# KiCad board mse-68-vhdci-panel.kicad_pcb (continued)
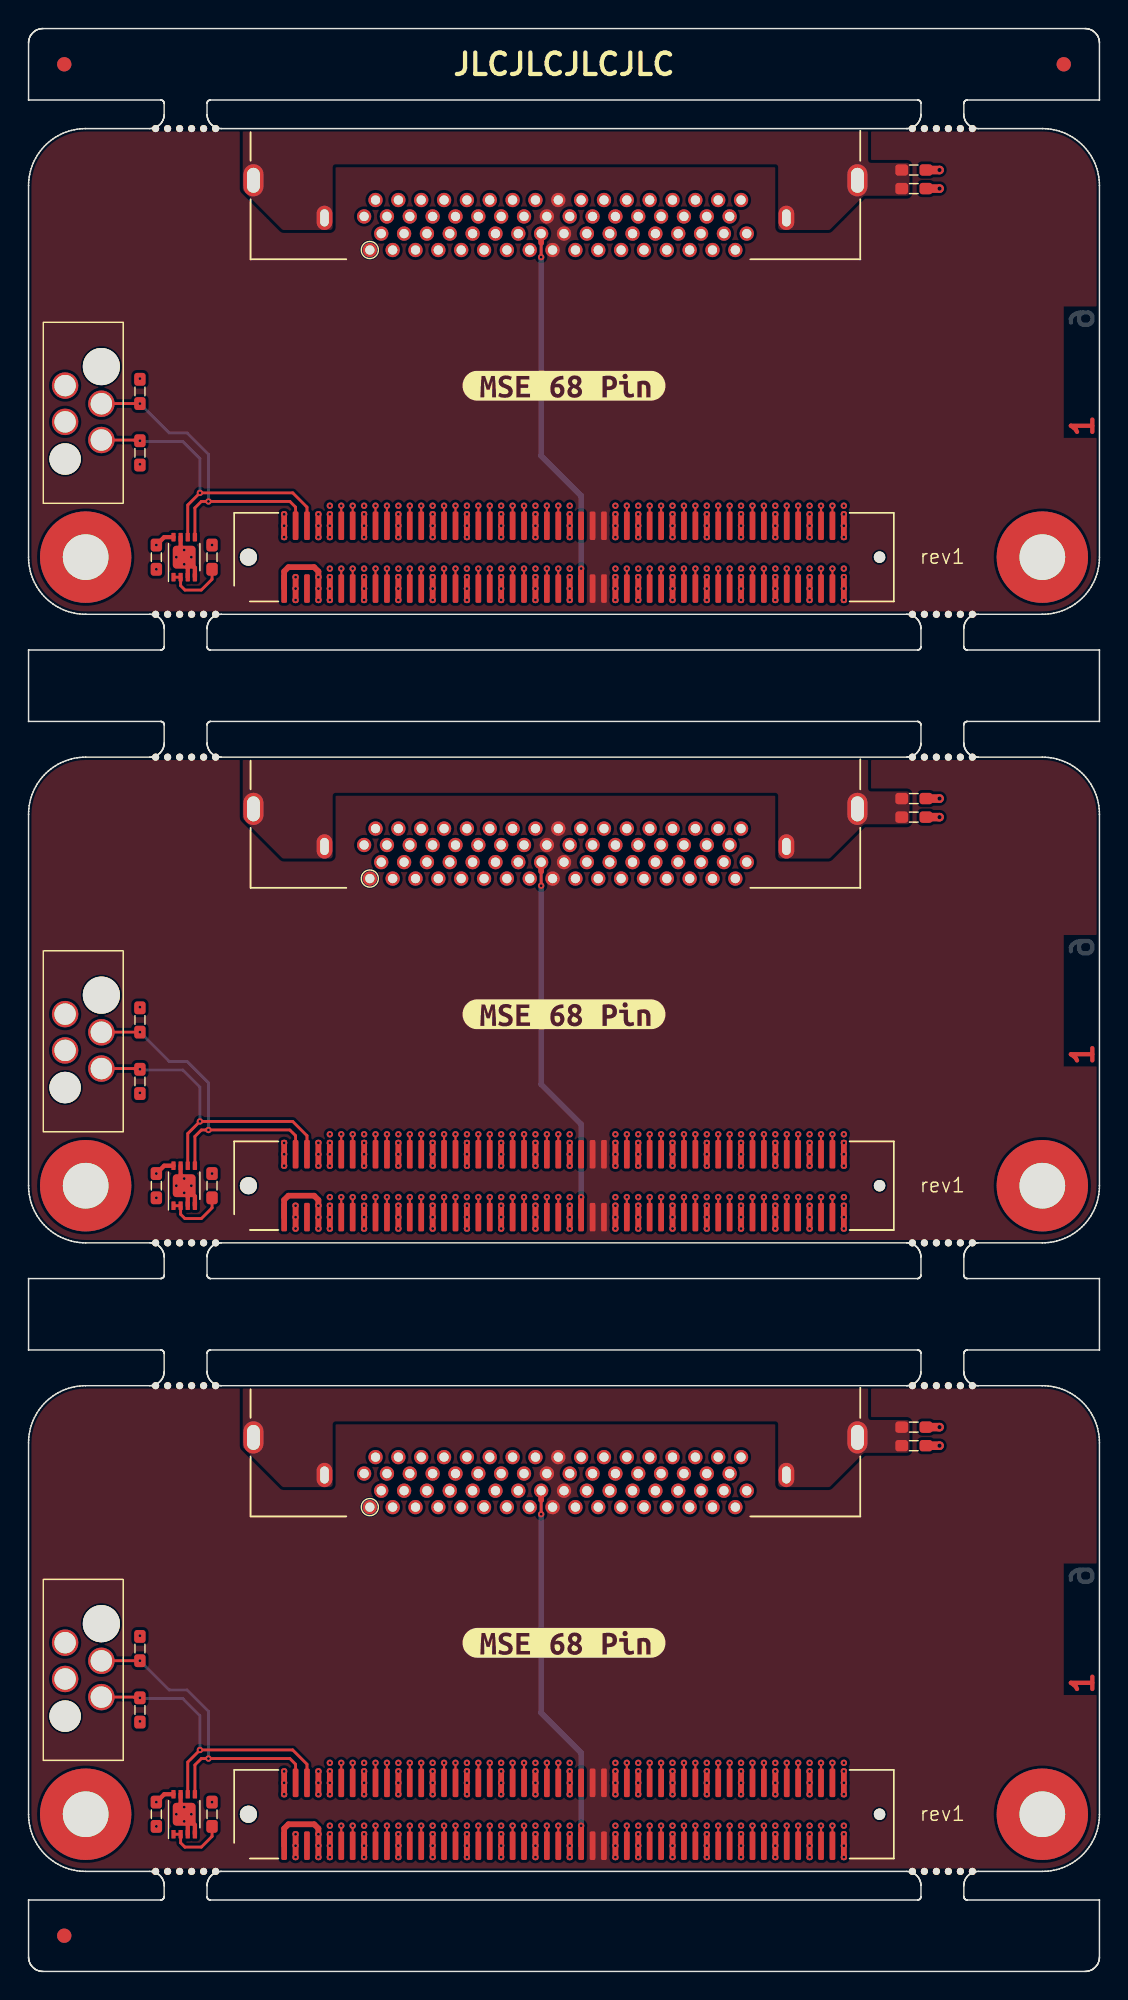
[diagram p0: board, top side]
## Routing (per net, layer and track width the routed paths; a pad name or vN(x,y) marks a point on that pad's centre or on a via; arc(x,y) is an arc through that point)
Board_0-+3V3: length 1.4
  Top w0.3: v1(8.95,99.85) 9.5,100.4 U1.8
  vias: v1(7.8,111.5) v1(7.8,105.5) v1(12.85,99.85) v1(18.7,97.6) v1(18.7,96.8) v1(18.7,96)
Board_0-/CON.ACK+: length 29.6
  Top w0.151: J1#2.67 v1(44.3,98.2)
  In3.Cu w0.151: J4#2.24 42.3,120.3 42.5,120.1 42.5,117.42 arc(42.56,117.27) 42.71,117.21 arc(42.86,117.15) 42.92,117 42.92,116.82 arc(42.86,116.67) 42.71,116.61 arc(42.56,116.55) 42.5,116.4 42.5,116.22 arc(42.56,116.07) 42.71,116.01 arc(42.86,115.95) 42.92,115.8 42.92,115.62 arc(42.86,115.47) 42.71,115.41 arc(42.56,115.35) 42.5,115.2 42.5,115.02 arc(42.56,114.87) 42.71,114.81 arc(42.86,114.75) 42.92,114.6 42.92,114.42 arc(42.86,114.27) 42.71,114.21 arc(42.56,114.15) 42.5,114 42.5,113.82 arc(42.56,113.67) 42.71,113.61 arc(42.86,113.55) 42.92,113.4 42.92,113.22 arc(42.86,113.07) 42.71,113.01 arc(42.56,112.95) 42.5,112.8 42.5,112.62 arc(42.56,112.47) 42.71,112.41 arc(42.86,112.35) 42.92,112.2 42.92,112.02 arc(42.86,111.87) 42.71,111.81 arc(42.56,111.75) 42.5,111.6 42.5,111.42 arc(42.56,111.27) 42.71,111.21 arc(42.86,111.15) 42.92,111 42.92,110.82 arc(42.86,110.67) 42.71,110.61 arc(42.56,110.55) 42.5,110.4 42.5,110.22 arc(42.56,110.07) 42.71,110.01 arc(42.86,109.95) 42.92,109.8 42.92,109.62 arc(42.86,109.47) 42.71,109.41 arc(42.56,109.35) 42.5,109.2 42.5,109.08 arc(42.57,108.91) 42.74,108.84 42.74,108.84 arc(42.91,108.77) 42.98,108.6 42.98,108.48 arc(42.91,108.31) 42.74,108.24 42.74,108.24 arc(42.57,108.17) 42.5,108 42.5,104.4 43.9,103 43.9,98.6 v1(44.3,98.2)
Board_0-/CON.ACK-: length 27
  Top w0.151: J1#2.68 v1(44.3,102.6)
  In2.Cu w0.151: v1(44.3,102.6) 42.5,104.4 42.5,108 arc(42.57,108.17) 42.74,108.24 42.75,108.24 arc(42.92,108.31) 42.99,108.48 42.99,108.6 arc(42.92,108.77) 42.75,108.84 42.74,108.84 arc(42.57,108.91) 42.5,109.08 42.5,109.2 arc(42.56,109.35) 42.71,109.42 arc(42.87,109.48) 42.93,109.63 42.93,109.8 arc(42.87,109.95) 42.71,110.02 arc(42.56,110.08) 42.5,110.23 42.5,110.4 arc(42.56,110.55) 42.71,110.62 arc(42.87,110.68) 42.93,110.83 42.93,111 arc(42.87,111.15) 42.71,111.22 arc(42.56,111.28) 42.5,111.43 42.5,111.6 arc(42.56,111.75) 42.71,111.82 arc(42.87,111.88) 42.93,112.03 42.93,112.2 arc(42.87,112.35) 42.71,112.42 arc(42.56,112.48) 42.5,112.63 42.5,112.8 arc(42.56,112.95) 42.71,113.02 arc(42.87,113.08) 42.93,113.23 42.93,113.4 arc(42.87,113.55) 42.71,113.62 arc(42.56,113.68) 42.5,113.83 42.5,114 arc(42.56,114.15) 42.71,114.22 arc(42.87,114.28) 42.93,114.43 42.93,114.6 arc(42.87,114.75) 42.71,114.82 arc(42.56,114.88) 42.5,115.03 42.5,120.7 41.7,121.5 41.7,122 41.9,122.2 J4#2.58
Board_0-/CON.ATN+: length 29.6
  Top w0.151: J1#2.61 v1(41.9,98.2)
  In3.Cu w0.151: v1(41.9,98.2) 41.6,98.5 41.6,102.9 40.5,104 40.5,108 arc(40.43,108.17) 40.26,108.24 40.25,108.24 arc(40.08,108.31) 40.01,108.48 40.01,108.6 arc(40.08,108.77) 40.25,108.84 40.26,108.84 arc(40.43,108.91) 40.5,109.08 40.5,109.2 arc(40.43,109.37) 40.26,109.44 40.25,109.44 arc(40.08,109.51) 40.01,109.68 40.01,109.8 arc(40.08,109.97) 40.25,110.04 40.26,110.04 arc(40.43,110.11) 40.5,110.28 40.5,110.4 arc(40.43,110.57) 40.26,110.64 40.25,110.64 arc(40.08,110.71) 40.01,110.88 40.01,111 arc(40.08,111.17) 40.25,111.24 40.26,111.24 arc(40.43,111.31) 40.5,111.48 40.5,111.6 arc(40.43,111.77) 40.26,111.84 40.25,111.84 arc(40.08,111.91) 40.01,112.08 40.01,112.2 arc(40.08,112.37) 40.25,112.44 40.26,112.44 arc(40.43,112.51) 40.5,112.68 40.5,112.8 arc(40.43,112.97) 40.26,113.04 40.25,113.04 arc(40.08,113.11) 40.01,113.28 40.01,113.4 arc(40.08,113.57) 40.25,113.64 40.26,113.64 arc(40.43,113.71) 40.5,113.88 40.5,114 arc(40.43,114.17) 40.26,114.24 40.25,114.24 arc(40.08,114.31) 40.01,114.48 40.01,114.6 arc(40.08,114.77) 40.25,114.84 40.26,114.84 arc(40.43,114.91) 40.5,115.08 40.5,115.2 arc(40.43,115.37) 40.26,115.44 40.25,115.44 arc(40.08,115.51) 40.01,115.68 40.01,115.8 arc(40.08,115.97) 40.25,116.04 40.26,116.04 arc(40.43,116.11) 40.5,116.28 40.5,116.4 arc(40.43,116.57) 40.26,116.64 40.25,116.64 arc(40.08,116.71) 40.01,116.88 40.01,117 arc(40.08,117.17) 40.25,117.24 40.26,117.24 arc(40.43,117.31) 40.5,117.48 40.5,117.6 arc(40.43,117.77) 40.26,117.84 40.25,117.84 arc(40.08,117.91) 40.01,118.08 40.01,118.2 arc(40.08,118.37) 40.25,118.44 40.26,118.44 arc(40.43,118.51) 40.5,118.68 40.5,119.9 J4#2.21
Board_0-/CON.ATN-: length 27
  Top w0.151: J1#2.62 v1(41.9,102.6)
  In2.Cu w0.151: J4#2.55 39.5,122.2 39.7,122 39.7,121.5 40.5,120.7 40.5,117.48 arc(40.43,117.31) 40.26,117.24 arc(40.1,117.17) 40.03,117 40.03,116.88 arc(40.1,116.71) 40.26,116.64 arc(40.43,116.57) 40.5,116.4 40.5,116.28 arc(40.43,116.11) 40.26,116.04 arc(40.1,115.97) 40.03,115.8 40.03,115.68 arc(40.1,115.51) 40.26,115.44 arc(40.43,115.37) 40.5,115.2 40.5,115.08 arc(40.43,114.91) 40.26,114.84 arc(40.1,114.77) 40.03,114.6 40.03,114.48 arc(40.1,114.31) 40.26,114.24 arc(40.43,114.17) 40.5,114 40.5,113.88 arc(40.43,113.71) 40.26,113.64 arc(40.1,113.57) 40.03,113.4 40.03,113.28 arc(40.1,113.11) 40.26,113.04 arc(40.43,112.97) 40.5,112.8 40.5,112.68 arc(40.43,112.51) 40.26,112.44 arc(40.1,112.37) 40.03,112.2 40.03,112.08 arc(40.1,111.91) 40.26,111.84 arc(40.43,111.77) 40.5,111.6 40.5,111.48 arc(40.43,111.31) 40.26,111.24 arc(40.1,111.17) 40.03,111 40.03,110.88 arc(40.1,110.71) 40.26,110.64 arc(40.43,110.57) 40.5,110.4 40.5,110.28 arc(40.43,110.11) 40.26,110.04 arc(40.1,109.97) 40.03,109.8 40.03,109.68 arc(40.1,109.51) 40.26,109.44 arc(40.43,109.37) 40.5,109.2 40.5,109.08 arc(40.43,108.91) 40.26,108.84 arc(40.1,108.77) 40.03,108.6 40.03,108.48 arc(40.1,108.31) 40.26,108.24 arc(40.43,108.17) 40.5,108 40.5,104 v1(41.9,102.6)
Board_0-/CON.BSY+: length 29.6
  Top w0.151: J1#2.65 v1(43.5,98.2)
  In3.Cu w0.151: v1(43.5,98.2) 43.2,98.5 43.2,102.9 42.1,104 42.1,108 arc(42.03,108.17) 41.86,108.24 41.85,108.24 arc(41.68,108.31) 41.61,108.48 41.61,108.6 arc(41.68,108.77) 41.85,108.84 41.86,108.84 arc(42.03,108.91) 42.1,109.08 42.1,109.2 arc(42.03,109.37) 41.86,109.44 41.85,109.44 arc(41.68,109.51) 41.61,109.68 41.61,109.8 arc(41.68,109.97) 41.85,110.04 41.86,110.04 arc(42.03,110.11) 42.1,110.28 42.1,110.4 arc(42.03,110.57) 41.86,110.64 41.85,110.64 arc(41.68,110.71) 41.61,110.88 41.61,111 arc(41.68,111.17) 41.85,111.24 41.86,111.24 arc(42.03,111.31) 42.1,111.48 42.1,111.6 arc(42.03,111.77) 41.86,111.84 41.85,111.84 arc(41.68,111.91) 41.61,112.08 41.61,112.2 arc(41.68,112.37) 41.85,112.44 41.86,112.44 arc(42.03,112.51) 42.1,112.68 42.1,112.8 arc(42.03,112.97) 41.86,113.04 41.85,113.04 arc(41.68,113.11) 41.61,113.28 41.61,113.4 arc(41.68,113.57) 41.85,113.64 41.86,113.64 arc(42.03,113.71) 42.1,113.88 42.1,114 arc(42.03,114.17) 41.86,114.24 41.85,114.24 arc(41.68,114.31) 41.61,114.48 41.61,114.6 arc(41.68,114.77) 41.85,114.84 41.86,114.84 arc(42.03,114.91) 42.1,115.08 42.1,115.2 arc(42.03,115.37) 41.86,115.44 41.85,115.44 arc(41.68,115.51) 41.61,115.68 41.61,115.8 arc(41.68,115.97) 41.85,116.04 41.86,116.04 arc(42.03,116.11) 42.1,116.28 42.1,116.4 arc(42.03,116.57) 41.86,116.64 41.85,116.64 arc(41.68,116.71) 41.61,116.88 41.61,117 arc(41.68,117.17) 41.85,117.24 41.86,117.24 arc(42.03,117.31) 42.1,117.48 42.1,117.6 arc(42.03,117.77) 41.86,117.84 41.85,117.84 arc(41.68,117.91) 41.61,118.08 41.61,118.2 arc(41.68,118.37) 41.85,118.44 41.86,118.44 arc(42.03,118.51) 42.1,118.68 42.1,119.9 J4#2.23
Board_0-/CON.BSY-: length 27
  Top w0.151: J1#2.66 v1(43.5,102.6)
  In2.Cu w0.151: v1(43.5,102.6) 42.1,104 42.1,108 arc(42.03,108.17) 41.86,108.24 arc(41.7,108.31) 41.63,108.48 41.63,108.6 arc(41.7,108.77) 41.86,108.84 arc(42.03,108.91) 42.1,109.08 42.1,109.2 arc(42.03,109.37) 41.86,109.44 arc(41.7,109.51) 41.63,109.68 41.63,109.8 arc(41.7,109.97) 41.86,110.04 arc(42.03,110.11) 42.1,110.28 42.1,110.4 arc(42.03,110.57) 41.86,110.64 arc(41.7,110.71) 41.63,110.88 41.63,111 arc(41.7,111.17) 41.86,111.24 arc(42.03,111.31) 42.1,111.48 42.1,111.6 arc(42.03,111.77) 41.86,111.84 arc(41.7,111.91) 41.63,112.08 41.63,112.2 arc(41.7,112.37) 41.86,112.44 arc(42.03,112.51) 42.1,112.68 42.1,112.8 arc(42.03,112.97) 41.86,113.04 arc(41.7,113.11) 41.63,113.28 41.63,113.4 arc(41.7,113.57) 41.86,113.64 arc(42.03,113.71) 42.1,113.88 42.1,114 arc(42.03,114.17) 41.86,114.24 arc(41.7,114.31) 41.63,114.48 41.63,114.6 arc(41.7,114.77) 41.86,114.84 arc(42.03,114.91) 42.1,115.08 42.1,115.2 arc(42.03,115.37) 41.86,115.44 arc(41.7,115.51) 41.63,115.68 41.63,115.8 arc(41.7,115.97) 41.86,116.04 arc(42.03,116.11) 42.1,116.28 42.1,116.4 arc(42.03,116.57) 41.86,116.64 arc(41.7,116.71) 41.63,116.88 41.63,117 arc(41.7,117.17) 41.86,117.24 arc(42.03,117.31) 42.1,117.48 42.1,120.68 41.3,121.48 41.3,122 41.1,122.2 J4#2.57
Board_0-/CON.C/D+: length 29.6
  Top w0.151: J1#2.79 v1(49.1,98.2)
  In3.Cu w0.151: J4#2.28 45.5,120.3 45.7,120.1 45.7,118.46 arc(45.77,118.3) 45.93,118.23 arc(46.09,118.16) 46.16,118 46.16,117.86 arc(46.09,117.7) 45.93,117.63 arc(45.77,117.56) 45.7,117.4 45.7,117.14 arc(45.75,117.02) 45.87,116.97 arc(45.99,116.92) 46.04,116.8 46.04,116.54 arc(45.99,116.42) 45.87,116.37 arc(45.75,116.32) 45.7,116.2 45.7,115.94 arc(45.75,115.82) 45.87,115.77 arc(45.99,115.72) 46.04,115.6 46.04,115.34 arc(45.99,115.22) 45.87,115.17 arc(45.75,115.12) 45.7,115 45.7,114.74 arc(45.75,114.62) 45.87,114.57 arc(45.99,114.52) 46.04,114.4 46.04,114.14 arc(45.99,114.02) 45.87,113.97 arc(45.75,113.92) 45.7,113.8 45.7,113.54 arc(45.75,113.42) 45.87,113.37 arc(45.99,113.32) 46.04,113.2 46.04,112.94 arc(45.99,112.82) 45.87,112.77 arc(45.75,112.72) 45.7,112.6 45.7,112.34 arc(45.75,112.22) 45.87,112.17 arc(45.99,112.12) 46.04,112 46.04,111.74 arc(45.99,111.62) 45.87,111.57 arc(45.75,111.52) 45.7,111.4 45.7,111.14 arc(45.75,111.02) 45.87,110.97 arc(45.99,110.92) 46.04,110.8 46.04,110.54 arc(45.99,110.42) 45.87,110.37 arc(45.75,110.32) 45.7,110.2 45.7,109.94 arc(45.75,109.82) 45.87,109.77 arc(45.99,109.72) 46.04,109.6 46.04,109.34 arc(45.99,109.22) 45.87,109.17 arc(45.75,109.12) 45.7,109 45.7,106 48.7,103 48.7,98.6 v1(49.1,98.2)
Board_0-/CON.C/D-: length 27
  Top w0.151: J1#2.80 v1(49.1,102.6)
  In2.Cu w0.151: J4#2.62 45.1,122.2 44.9,122 44.9,121.5 45.7,120.7 45.7,113.68 arc(45.77,113.51) 45.94,113.44 45.96,113.44 arc(46.13,113.37) 46.2,113.2 46.2,113.08 arc(46.13,112.91) 45.96,112.84 45.94,112.84 arc(45.77,112.77) 45.7,112.6 45.7,112.48 arc(45.77,112.31) 45.94,112.24 45.96,112.24 arc(46.13,112.17) 46.2,112 46.2,111.88 arc(46.13,111.71) 45.96,111.64 45.94,111.64 arc(45.77,111.57) 45.7,111.4 45.7,111.28 arc(45.77,111.11) 45.94,111.04 45.96,111.04 arc(46.13,110.97) 46.2,110.8 46.2,110.68 arc(46.13,110.51) 45.96,110.44 45.94,110.44 arc(45.77,110.37) 45.7,110.2 45.7,110.08 arc(45.77,109.91) 45.94,109.84 45.96,109.84 arc(46.13,109.77) 46.2,109.6 46.2,109.48 arc(46.13,109.31) 45.96,109.24 45.94,109.24 arc(45.77,109.17) 45.7,109 45.7,106 v1(49.1,102.6)
Board_0-/CON.DB0+: length 29.6
  Top w0.151: J1#2.25 v1(27.5,98.2)
  In3.Cu w0.151: v1(27.5,98.2) 27.81,98.51 27.81,102.91 28.1,103.2 28.1,106 arc(28.16,106.15) 28.31,106.22 arc(28.47,106.28) 28.53,106.43 28.53,106.6 arc(28.47,106.75) 28.31,106.82 arc(28.16,106.88) 28.1,107.03 28.1,107.2 arc(28.16,107.35) 28.31,107.42 arc(28.47,107.48) 28.53,107.63 28.53,107.8 arc(28.47,107.95) 28.31,108.02 arc(28.16,108.08) 28.1,108.23 28.1,108.4 arc(28.16,108.55) 28.31,108.62 arc(28.47,108.68) 28.53,108.83 28.53,109 arc(28.47,109.15) 28.31,109.22 arc(28.16,109.28) 28.1,109.43 28.1,109.6 arc(28.16,109.75) 28.31,109.82 arc(28.47,109.88) 28.53,110.03 28.53,110.2 arc(28.47,110.35) 28.31,110.42 arc(28.16,110.48) 28.1,110.63 28.1,110.8 arc(28.16,110.95) 28.31,111.02 arc(28.47,111.08) 28.53,111.23 28.53,111.4 arc(28.47,111.55) 28.31,111.62 arc(28.16,111.68) 28.1,111.83 28.1,112 arc(28.16,112.15) 28.31,112.22 arc(28.47,112.28) 28.53,112.43 28.53,112.6 arc(28.47,112.75) 28.31,112.82 arc(28.16,112.88) 28.1,113.03 28.1,113.2 arc(28.16,113.35) 28.31,113.42 arc(28.47,113.48) 28.53,113.63 28.53,113.8 arc(28.47,113.95) 28.31,114.02 arc(28.16,114.08) 28.1,114.23 28.1,114.4 arc(28.16,114.55) 28.31,114.62 arc(28.47,114.68) 28.53,114.83 28.53,115 arc(28.47,115.15) 28.31,115.22 arc(28.16,115.28) 28.1,115.43 28.1,115.6 arc(28.16,115.75) 28.31,115.82 arc(28.47,115.88) 28.53,116.03 28.53,116.2 arc(28.47,116.35) 28.31,116.42 arc(28.16,116.48) 28.1,116.63 28.1,120.1 27.9,120.3 J4#2.6
Board_0-/CON.DB0-: length 27
  Top w0.151: J1#2.26 v1(27.5,102.6)
  In2.Cu w0.151: J4#2.40 27.5,122.2 27.3,122 27.3,121.48 28.1,120.68 28.1,113.08 arc(28.17,112.91) 28.34,112.84 28.36,112.84 arc(28.53,112.77) 28.6,112.6 28.6,112.48 arc(28.53,112.31) 28.36,112.24 28.34,112.24 arc(28.17,112.17) 28.1,112 28.1,111.88 arc(28.17,111.71) 28.34,111.64 28.36,111.64 arc(28.53,111.57) 28.6,111.4 28.6,111.28 arc(28.53,111.11) 28.36,111.04 28.34,111.04 arc(28.17,110.97) 28.1,110.8 28.1,110.68 arc(28.17,110.51) 28.34,110.44 28.36,110.44 arc(28.53,110.37) 28.6,110.2 28.6,110.08 arc(28.53,109.91) 28.36,109.84 28.34,109.84 arc(28.17,109.77) 28.1,109.6 28.1,109.48 arc(28.17,109.31) 28.34,109.24 28.36,109.24 arc(28.53,109.17) 28.6,109 28.6,108.88 arc(28.53,108.71) 28.36,108.64 28.34,108.64 arc(28.17,108.57) 28.1,108.4 28.1,108.28 arc(28.17,108.11) 28.34,108.04 28.36,108.04 arc(28.53,107.97) 28.6,107.8 28.6,107.68 arc(28.53,107.51) 28.36,107.44 28.34,107.44 arc(28.17,107.37) 28.1,107.2 28.1,107.08 arc(28.17,106.91) 28.34,106.84 28.36,106.84 arc(28.53,106.77) 28.6,106.6 28.6,106.48 arc(28.53,106.31) 28.36,106.24 28.34,106.24 arc(28.17,106.17) 28.1,106 28.1,103.2 v1(27.5,102.6)
Board_0-/CON.DB1+: length 28.8
  Top w0.151: J1#2.29 v1(29.1,98.2)
  In3.Cu w0.151: J4#2.7 29.3,119.9 29.3,117.8 arc(29.24,117.66) 29.1,117.6 arc(28.96,117.54) 28.9,117.4 28.9,117.2 arc(28.96,117.06) 29.1,117 arc(29.24,116.94) 29.3,116.8 29.3,116.6 arc(29.24,116.46) 29.1,116.4 arc(28.96,116.34) 28.9,116.2 28.9,116 arc(28.96,115.86) 29.1,115.8 arc(29.24,115.74) 29.3,115.6 29.3,115.4 arc(29.24,115.26) 29.1,115.2 arc(28.96,115.14) 28.9,115 28.9,114.8 arc(28.96,114.66) 29.1,114.6 arc(29.24,114.54) 29.3,114.4 29.3,114.2 arc(29.24,114.06) 29.1,114 arc(28.96,113.94) 28.9,113.8 28.9,113.6 arc(28.96,113.46) 29.1,113.4 arc(29.24,113.34) 29.3,113.2 29.3,113 arc(29.24,112.86) 29.1,112.8 arc(28.96,112.74) 28.9,112.6 28.9,112.4 arc(28.96,112.26) 29.1,112.2 arc(29.24,112.14) 29.3,112 29.3,111.8 arc(29.24,111.66) 29.1,111.6 arc(28.96,111.54) 28.9,111.4 28.9,111.2 arc(28.96,111.06) 29.1,111 arc(29.24,110.94) 29.3,110.8 29.3,110.6 arc(29.24,110.46) 29.1,110.4 arc(28.96,110.34) 28.9,110.2 28.9,110 arc(28.96,109.86) 29.1,109.8 arc(29.24,109.74) 29.3,109.6 29.3,109.4 arc(29.24,109.26) 29.1,109.2 arc(28.96,109.14) 28.9,109 28.9,108.8 arc(28.96,108.66) 29.1,108.6 arc(29.24,108.54) 29.3,108.4 29.3,108.2 arc(29.24,108.06) 29.1,108 arc(28.96,107.94) 28.9,107.8 28.9,107.6 arc(28.96,107.46) 29.1,107.4 arc(29.24,107.34) 29.3,107.2 29.3,107 arc(29.24,106.86) 29.1,106.8 arc(28.96,106.74) 28.9,106.6 28.9,106.4 arc(28.96,106.26) 29.1,106.2 arc(29.24,106.14) 29.3,106 29.3,103.21 28.8,102.71 28.8,98.5 v1(29.1,98.2)
Board_0-/CON.DB1-: length 27
  Top w0.151: J1#2.30 v1(29.1,102.6)
  In2.Cu w0.151: J4#2.41 28.3,122.2 28.5,122 28.5,121.45 29.3,120.65 29.3,117.88 arc(29.23,117.71) 29.06,117.64 29.05,117.64 arc(28.88,117.57) 28.81,117.4 28.81,117.28 arc(28.88,117.11) 29.05,117.04 29.06,117.04 arc(29.23,116.97) 29.3,116.8 29.3,116.68 arc(29.23,116.51) 29.06,116.44 29.05,116.44 arc(28.88,116.37) 28.81,116.2 28.81,116.08 arc(28.88,115.91) 29.05,115.84 29.06,115.84 arc(29.23,115.77) 29.3,115.6 29.3,115.48 arc(29.23,115.31) 29.06,115.24 29.05,115.24 arc(28.88,115.17) 28.81,115 28.81,114.88 arc(28.88,114.71) 29.05,114.64 29.06,114.64 arc(29.23,114.57) 29.3,114.4 29.3,114.28 arc(29.23,114.11) 29.06,114.04 29.05,114.04 arc(28.88,113.97) 28.81,113.8 28.81,113.68 arc(28.88,113.51) 29.05,113.44 29.06,113.44 arc(29.23,113.37) 29.3,113.2 29.3,112.98 arc(29.24,112.85) 29.11,112.79 arc(28.98,112.74) 28.92,112.6 28.92,112.38 arc(28.98,112.25) 29.11,112.19 arc(29.24,112.14) 29.3,112 29.3,111.78 arc(29.24,111.65) 29.11,111.59 arc(28.98,111.54) 28.92,111.4 28.92,111.18 arc(28.98,111.05) 29.11,110.99 arc(29.24,110.94) 29.3,110.8 29.3,110.58 arc(29.24,110.45) 29.11,110.39 arc(28.98,110.34) 28.92,110.2 28.92,109.98 arc(28.98,109.85) 29.11,109.79 arc(29.24,109.74) 29.3,109.6 29.3,109.38 arc(29.24,109.25) 29.11,109.19 arc(28.98,109.14) 28.92,109 28.92,108.78 arc(28.98,108.65) 29.11,108.59 arc(29.24,108.54) 29.3,108.4 29.3,108.18 arc(29.24,108.05) 29.11,107.99 arc(28.98,107.93) 28.92,107.8 28.92,107.58 arc(28.98,107.45) 29.11,107.39 arc(29.24,107.33) 29.3,107.2 29.3,106.98 arc(29.24,106.85) 29.11,106.79 arc(28.98,106.73) 28.92,106.6 28.92,106.38 arc(28.98,106.25) 29.11,106.19 arc(29.24,106.13) 29.3,106 29.3,102.8 v1(29.1,102.6)
Board_0-/CON.DB2+: length 29.6
  Top w0.151: J1#2.31 v1(29.9,98.2)
  In3.Cu w0.151: J4#2.8 29.5,120.3 29.7,120.1 29.7,117.78 arc(29.76,117.65) 29.89,117.59 arc(30.02,117.54) 30.08,117.4 30.08,117.18 arc(30.02,117.05) 29.89,116.99 arc(29.76,116.94) 29.7,116.8 29.7,116.58 arc(29.76,116.45) 29.89,116.39 arc(30.02,116.34) 30.08,116.2 30.08,115.98 arc(30.02,115.85) 29.89,115.79 arc(29.76,115.74) 29.7,115.6 29.7,115.38 arc(29.76,115.25) 29.89,115.19 arc(30.02,115.14) 30.08,115 30.08,114.78 arc(30.02,114.65) 29.89,114.59 arc(29.76,114.54) 29.7,114.4 29.7,114.18 arc(29.76,114.05) 29.89,113.99 arc(30.02,113.94) 30.08,113.8 30.08,113.58 arc(30.02,113.45) 29.89,113.39 arc(29.76,113.34) 29.7,113.2 29.7,112.98 arc(29.76,112.85) 29.89,112.79 arc(30.02,112.74) 30.08,112.6 30.08,112.38 arc(30.02,112.25) 29.89,112.19 arc(29.76,112.14) 29.7,112 29.7,111.78 arc(29.76,111.65) 29.89,111.59 arc(30.02,111.54) 30.08,111.4 30.08,111.18 arc(30.02,111.05) 29.89,110.99 arc(29.76,110.94) 29.7,110.8 29.7,110.58 arc(29.76,110.45) 29.89,110.39 arc(30.02,110.34) 30.08,110.2 30.08,109.98 arc(30.02,109.85) 29.89,109.79 arc(29.76,109.74) 29.7,109.6 29.7,109.38 arc(29.76,109.25) 29.89,109.19 arc(30.02,109.14) 30.08,109 30.08,108.78 arc(30.02,108.65) 29.89,108.59 arc(29.76,108.54) 29.7,108.4 29.7,108.18 arc(29.76,108.05) 29.89,107.99 arc(30.02,107.94) 30.08,107.8 30.08,107.58 arc(30.02,107.45) 29.89,107.39 arc(29.76,107.34) 29.7,107.2 29.7,106.98 arc(29.76,106.85) 29.89,106.79 arc(30.02,106.74) 30.08,106.6 30.08,106.38 arc(30.02,106.25) 29.89,106.19 arc(29.76,106.14) 29.7,106 29.7,103.21 30.2,102.71 30.2,98.5 v1(29.9,98.2)
Board_0-/CON.DB2-: length 27
  Top w0.151: J1#2.32 v1(29.9,102.6)
  In2.Cu w0.151: v1(29.9,102.6) 29.7,102.8 29.7,106 arc(29.76,106.15) 29.9,106.21 arc(30.05,106.27) 30.11,106.41 30.11,106.6 arc(30.05,106.75) 29.9,106.81 arc(29.76,106.87) 29.7,107.01 29.7,107.2 arc(29.76,107.35) 29.9,107.41 arc(30.05,107.47) 30.11,107.61 30.11,107.8 arc(30.05,107.95) 29.9,108.01 arc(29.76,108.07) 29.7,108.21 29.7,108.4 arc(29.76,108.55) 29.9,108.61 arc(30.05,108.67) 30.11,108.81 30.11,109 arc(30.05,109.15) 29.9,109.21 arc(29.76,109.27) 29.7,109.41 29.7,109.6 arc(29.76,109.75) 29.9,109.81 arc(30.05,109.87) 30.11,110.01 30.11,110.2 arc(30.05,110.35) 29.9,110.41 arc(29.76,110.47) 29.7,110.61 29.7,110.8 arc(29.76,110.95) 29.9,111.01 arc(30.05,111.07) 30.11,111.21 30.11,111.4 arc(30.05,111.55) 29.9,111.61 arc(29.76,111.67) 29.7,111.81 29.7,112 arc(29.76,112.15) 29.9,112.21 arc(30.05,112.27) 30.11,112.41 30.11,112.6 arc(30.05,112.75) 29.9,112.81 arc(29.76,112.87) 29.7,113.01 29.7,113.2 arc(29.76,113.35) 29.9,113.41 arc(30.05,113.47) 30.11,113.61 30.11,113.8 arc(30.05,113.95) 29.9,114.01 arc(29.76,114.07) 29.7,114.21 29.7,114.4 arc(29.75,114.53) 29.88,114.58 arc(30.01,114.63) 30.06,114.76 30.06,115 arc(30.01,115.13) 29.88,115.18 arc(29.75,115.23) 29.7,115.36 29.7,120.69 28.9,121.49 28.9,122 29.1,122.2 J4#2.42
Board_0-/CON.DB3+: length 29.6
  Top w0.151: J1#2.35 v1(31.5,98.2)
  In3.Cu w0.151: v1(31.5,98.2) 31.19,98.51 31.19,102.91 30.9,103.2 30.9,106 arc(30.83,106.17) 30.66,106.24 arc(30.5,106.31) 30.43,106.47 30.43,106.6 arc(30.5,106.77) 30.66,106.84 arc(30.83,106.91) 30.9,107.07 30.9,107.2 arc(30.83,107.37) 30.66,107.44 arc(30.5,107.51) 30.43,107.67 30.43,107.8 arc(30.5,107.97) 30.66,108.04 arc(30.83,108.11) 30.9,108.27 30.9,108.4 arc(30.83,108.57) 30.66,108.64 arc(30.5,108.71) 30.43,108.87 30.43,109 arc(30.5,109.17) 30.66,109.24 arc(30.83,109.31) 30.9,109.47 30.9,109.6 arc(30.83,109.77) 30.66,109.84 arc(30.5,109.91) 30.43,110.07 30.43,110.2 arc(30.5,110.37) 30.66,110.44 arc(30.83,110.51) 30.9,110.67 30.9,110.8 arc(30.83,110.97) 30.66,111.04 arc(30.5,111.11) 30.43,111.27 30.43,111.4 arc(30.5,111.57) 30.66,111.64 arc(30.83,111.71) 30.9,111.87 30.9,112 arc(30.83,112.17) 30.66,112.24 arc(30.5,112.31) 30.43,112.47 30.43,112.6 arc(30.5,112.77) 30.66,112.84 arc(30.83,112.91) 30.9,113.07 30.9,113.2 arc(30.83,113.37) 30.66,113.44 arc(30.5,113.51) 30.43,113.67 30.43,113.8 arc(30.5,113.97) 30.66,114.04 arc(30.83,114.11) 30.9,114.27 30.9,114.4 arc(30.83,114.57) 30.66,114.64 arc(30.5,114.71) 30.43,114.88 30.43,115 arc(30.5,115.17) 30.66,115.24 arc(30.83,115.31) 30.9,115.48 30.9,115.6 arc(30.83,115.77) 30.66,115.84 arc(30.5,115.91) 30.43,116.08 30.43,116.2 arc(30.5,116.37) 30.66,116.44 arc(30.83,116.51) 30.9,116.68 30.9,116.8 arc(30.83,116.97) 30.66,117.04 arc(30.5,117.11) 30.43,117.28 30.43,117.4 arc(30.5,117.57) 30.66,117.64 arc(30.83,117.71) 30.9,117.88 30.9,119.9 J4#2.9
Board_0-/CON.DB3-: length 27
  Top w0.151: J1#2.36 v1(31.5,102.6)
  In2.Cu w0.151: v1(31.5,102.6) 30.9,103.2 30.9,106 arc(30.84,106.16) 30.68,106.22 arc(30.53,106.29) 30.46,106.44 30.46,106.6 arc(30.53,106.76) 30.68,106.82 arc(30.84,106.89) 30.9,107.04 30.9,107.2 arc(30.84,107.36) 30.68,107.42 arc(30.53,107.49) 30.46,107.64 30.46,107.8 arc(30.53,107.96) 30.68,108.02 arc(30.84,108.09) 30.9,108.24 30.9,108.4 arc(30.84,108.56) 30.68,108.62 arc(30.53,108.69) 30.46,108.84 30.46,109 arc(30.53,109.16) 30.68,109.22 arc(30.84,109.29) 30.9,109.44 30.9,109.6 arc(30.84,109.76) 30.68,109.82 arc(30.53,109.89) 30.46,110.04 30.46,110.2 arc(30.53,110.36) 30.68,110.42 arc(30.84,110.49) 30.9,110.64 30.9,110.8 arc(30.84,110.96) 30.68,111.02 arc(30.53,111.09) 30.46,111.24 30.46,111.4 arc(30.53,111.56) 30.68,111.62 arc(30.84,111.69) 30.9,111.84 30.9,112 arc(30.84,112.16) 30.68,112.22 arc(30.53,112.29) 30.46,112.44 30.46,112.6 arc(30.53,112.76) 30.68,112.82 arc(30.84,112.89) 30.9,113.04 30.9,113.2 arc(30.84,113.36) 30.68,113.42 arc(30.53,113.49) 30.46,113.64 30.46,113.8 arc(30.53,113.96) 30.68,114.02 arc(30.84,114.09) 30.9,114.24 30.9,114.4 arc(30.83,114.57) 30.66,114.64 30.65,114.64 arc(30.48,114.71) 30.41,114.88 30.41,115 arc(30.48,115.17) 30.65,115.24 30.66,115.24 arc(30.83,115.31) 30.9,115.48 30.9,115.6 arc(30.83,115.77) 30.66,115.84 30.65,115.84 arc(30.48,115.91) 30.41,116.08 30.41,116.2 arc(30.48,116.37) 30.65,116.44 30.66,116.44 arc(30.83,116.51) 30.9,116.68 30.9,120.66 30.1,121.46 30.1,122 29.9,122.2 J4#2.43
Board_0-/CON.DB4+: length 29.6
  Top w0.151: J1#2.37 v1(32.3,98.2)
  In3.Cu w0.151: v1(32.3,98.2) 31.9,98.6 31.9,103 31.3,103.6 31.3,106 arc(31.35,106.13) 31.48,106.18 arc(31.61,106.24) 31.66,106.36 31.66,106.6 arc(31.61,106.73) 31.48,106.78 arc(31.35,106.84) 31.3,106.96 31.3,107.2 arc(31.35,107.33) 31.48,107.38 arc(31.61,107.44) 31.66,107.56 31.66,107.8 arc(31.61,107.93) 31.48,107.98 arc(31.35,108.04) 31.3,108.16 31.3,108.4 arc(31.35,108.53) 31.48,108.58 arc(31.61,108.64) 31.66,108.76 31.66,109 arc(31.61,109.13) 31.48,109.18 arc(31.35,109.24) 31.3,109.36 31.3,109.6 arc(31.35,109.73) 31.48,109.78 arc(31.61,109.84) 31.66,109.96 31.66,110.2 arc(31.61,110.33) 31.48,110.38 arc(31.35,110.44) 31.3,110.56 31.3,110.8 arc(31.35,110.93) 31.48,110.98 arc(31.61,111.04) 31.66,111.16 31.66,111.4 arc(31.61,111.53) 31.48,111.58 arc(31.35,111.64) 31.3,111.76 31.3,112 arc(31.35,112.13) 31.48,112.18 arc(31.61,112.24) 31.66,112.36 31.66,112.6 arc(31.61,112.73) 31.48,112.78 arc(31.35,112.84) 31.3,112.96 31.3,113.2 arc(31.35,113.33) 31.48,113.38 arc(31.61,113.44) 31.66,113.56 31.66,113.8 arc(31.61,113.93) 31.48,113.98 arc(31.35,114.04) 31.3,114.16 31.3,114.4 arc(31.35,114.53) 31.48,114.58 arc(31.61,114.64) 31.66,114.76 31.66,115 arc(31.61,115.13) 31.48,115.18 arc(31.35,115.24) 31.3,115.36 31.3,115.6 arc(31.35,115.73) 31.48,115.78 arc(31.61,115.84) 31.66,115.96 31.66,116.2 arc(31.61,116.33) 31.48,116.38 arc(31.35,116.44) 31.3,116.56 31.3,116.8 arc(31.37,116.97) 31.54,117.04 arc(31.71,117.11) 31.78,117.28 31.78,117.4 arc(31.71,117.57) 31.54,117.64 arc(31.37,117.71) 31.3,117.88 31.3,120.1 31.1,120.3 J4#2.10
Board_0-/CON.DB4-: length 27
  Top w0.151: J1#2.38 v1(32.3,102.6)
  In2.Cu w0.151: J4#2.44 30.7,122.2 30.5,122 30.5,121.48 31.3,120.68 31.3,113.08 arc(31.37,112.91) 31.54,112.84 31.54,112.84 arc(31.71,112.77) 31.78,112.6 31.78,112.48 arc(31.71,112.31) 31.54,112.24 31.54,112.24 arc(31.37,112.17) 31.3,112 31.3,111.88 arc(31.37,111.71) 31.54,111.64 31.54,111.64 arc(31.71,111.57) 31.78,111.4 31.78,111.28 arc(31.71,111.11) 31.54,111.04 31.54,111.04 arc(31.37,110.97) 31.3,110.8 31.3,110.68 arc(31.37,110.51) 31.54,110.44 31.54,110.44 arc(31.71,110.37) 31.78,110.2 31.78,110.08 arc(31.71,109.91) 31.54,109.84 31.54,109.84 arc(31.37,109.77) 31.3,109.6 31.3,109.48 arc(31.37,109.31) 31.54,109.24 31.54,109.24 arc(31.71,109.17) 31.78,109 31.78,108.88 arc(31.71,108.71) 31.54,108.64 31.54,108.64 arc(31.37,108.57) 31.3,108.4 31.3,108.28 arc(31.37,108.11) 31.54,108.04 31.54,108.04 arc(31.71,107.97) 31.78,107.8 31.78,107.68 arc(31.71,107.51) 31.54,107.44 31.54,107.44 arc(31.37,107.37) 31.3,107.2 31.3,107.08 arc(31.37,106.91) 31.54,106.84 31.54,106.84 arc(31.71,106.77) 31.78,106.6 31.78,106.48 arc(31.71,106.31) 31.54,106.24 31.54,106.24 arc(31.37,106.17) 31.3,106 31.3,103.6 v1(32.3,102.6)
Board_0-/CON.DB5+: length 29.6
  Top w0.151: J1#2.41 v1(33.9,98.2)
  In3.Cu w0.151: J4#2.11 32.5,119.9 32.5,116.68 arc(32.43,116.51) 32.26,116.44 32.25,116.44 arc(32.08,116.37) 32.01,116.2 32.01,116.08 arc(32.08,115.91) 32.25,115.84 32.26,115.84 arc(32.43,115.77) 32.5,115.6 32.5,115.48 arc(32.43,115.31) 32.26,115.24 32.25,115.24 arc(32.08,115.17) 32.01,115 32.01,114.88 arc(32.08,114.71) 32.25,114.64 32.26,114.64 arc(32.43,114.57) 32.5,114.4 32.5,114.28 arc(32.43,114.11) 32.26,114.04 32.25,114.04 arc(32.08,113.97) 32.01,113.8 32.01,113.68 arc(32.08,113.51) 32.25,113.44 32.26,113.44 arc(32.43,113.37) 32.5,113.2 32.5,113.08 arc(32.43,112.91) 32.26,112.84 32.25,112.84 arc(32.08,112.77) 32.01,112.6 32.01,112.48 arc(32.08,112.31) 32.25,112.24 32.26,112.24 arc(32.43,112.17) 32.5,112 32.5,111.88 arc(32.43,111.71) 32.26,111.64 32.25,111.64 arc(32.08,111.57) 32.01,111.4 32.01,111.28 arc(32.08,111.11) 32.25,111.04 32.26,111.04 arc(32.43,110.97) 32.5,110.8 32.5,110.68 arc(32.43,110.51) 32.26,110.44 32.25,110.44 arc(32.08,110.37) 32.01,110.2 32.01,110.08 arc(32.08,109.91) 32.25,109.84 32.26,109.84 arc(32.43,109.77) 32.5,109.6 32.5,109.48 arc(32.43,109.31) 32.26,109.24 32.25,109.24 arc(32.08,109.17) 32.01,109 32.01,108.88 arc(32.08,108.71) 32.25,108.64 32.26,108.64 arc(32.43,108.57) 32.5,108.4 32.5,108.28 arc(32.43,108.11) 32.26,108.04 32.25,108.04 arc(32.08,107.97) 32.01,107.8 32.01,107.68 arc(32.08,107.51) 32.25,107.44 32.26,107.44 arc(32.43,107.37) 32.5,107.2 32.5,107.08 arc(32.43,106.91) 32.26,106.84 32.25,106.84 arc(32.08,106.77) 32.01,106.6 32.01,106.48 arc(32.08,106.31) 32.25,106.24 32.26,106.24 arc(32.43,106.17) 32.5,106 32.5,104 33.59,102.91 33.59,102.71 33.6,102.7 33.6,98.5 v1(33.9,98.2)
Board_0-/CON.DB5-: length 27
  Top w0.151: J1#2.42 v1(33.9,102.6)
  In2.Cu w0.151: v1(33.9,102.6) 32.5,104 32.5,106 arc(32.44,106.14) 32.31,106.19 arc(32.17,106.25) 32.12,106.38 32.12,106.6 arc(32.17,106.74) 32.31,106.79 arc(32.44,106.85) 32.5,106.98 32.5,107.2 arc(32.44,107.34) 32.31,107.39 arc(32.17,107.45) 32.12,107.58 32.12,107.8 arc(32.17,107.94) 32.31,107.99 arc(32.44,108.05) 32.5,108.18 32.5,108.4 arc(32.44,108.54) 32.31,108.59 arc(32.17,108.65) 32.12,108.78 32.12,109 arc(32.17,109.14) 32.31,109.19 arc(32.44,109.25) 32.5,109.38 32.5,109.6 arc(32.44,109.74) 32.31,109.79 arc(32.17,109.85) 32.12,109.98 32.12,110.2 arc(32.17,110.34) 32.31,110.39 arc(32.44,110.45) 32.5,110.58 32.5,110.8 arc(32.44,110.94) 32.31,110.99 arc(32.17,111.05) 32.12,111.18 32.12,111.4 arc(32.17,111.54) 32.31,111.59 arc(32.44,111.65) 32.5,111.78 32.5,112 arc(32.44,112.14) 32.31,112.19 arc(32.17,112.25) 32.12,112.38 32.12,112.6 arc(32.17,112.74) 32.31,112.79 arc(32.44,112.85) 32.5,112.98 32.5,113.2 arc(32.43,113.37) 32.26,113.44 32.25,113.44 arc(32.08,113.51) 32.01,113.68 32.01,113.8 arc(32.08,113.97) 32.25,114.04 32.26,114.04 arc(32.43,114.11) 32.5,114.28 32.5,114.4 arc(32.43,114.57) 32.26,114.64 32.25,114.64 arc(32.08,114.71) 32.01,114.88 32.01,115 arc(32.08,115.17) 32.25,115.24 32.26,115.24 arc(32.43,115.31) 32.5,115.48 32.5,115.6 arc(32.43,115.77) 32.26,115.84 32.25,115.84 arc(32.08,115.91) 32.01,116.08 32.01,116.2 arc(32.08,116.37) 32.25,116.44 32.26,116.44 arc(32.43,116.51) 32.5,116.68 32.5,120.65 31.7,121.45 31.7,122 31.5,122.2 J4#2.45
Board_0-/CON.DB6+: length 29.6
  Top w0.151: J1#2.43 v1(34.7,98.2)
  In3.Cu w0.151: J4#2.12 32.7,120.3 32.9,120.1 32.9,115.39 arc(32.96,115.25) 33.09,115.19 arc(33.23,115.14) 33.29,115 33.29,114.79 arc(33.23,114.65) 33.09,114.59 arc(32.96,114.54) 32.9,114.4 32.9,114.24 arc(32.96,114.08) 33.12,114.02 arc(33.27,113.96) 33.34,113.8 33.34,113.64 arc(33.27,113.48) 33.12,113.42 arc(32.96,113.36) 32.9,113.2 32.9,113.04 arc(32.96,112.88) 33.12,112.82 arc(33.27,112.76) 33.34,112.6 33.34,112.44 arc(33.27,112.28) 33.12,112.22 arc(32.96,112.16) 32.9,112 32.9,111.84 arc(32.96,111.68) 33.12,111.62 arc(33.27,111.56) 33.34,111.4 33.34,111.24 arc(33.27,111.08) 33.12,111.02 arc(32.96,110.96) 32.9,110.8 32.9,110.64 arc(32.96,110.48) 33.12,110.42 arc(33.27,110.36) 33.34,110.2 33.34,110.04 arc(33.27,109.88) 33.12,109.82 arc(32.96,109.76) 32.9,109.6 32.9,109.44 arc(32.96,109.28) 33.12,109.22 arc(33.27,109.16) 33.34,109 33.34,108.84 arc(33.27,108.68) 33.12,108.62 arc(32.96,108.56) 32.9,108.4 32.9,108.24 arc(32.96,108.08) 33.12,108.02 arc(33.27,107.96) 33.34,107.8 33.34,107.64 arc(33.27,107.48) 33.12,107.42 arc(32.96,107.36) 32.9,107.2 32.9,107.04 arc(32.96,106.88) 33.12,106.82 arc(33.27,106.76) 33.34,106.6 33.34,106.44 arc(33.27,106.28) 33.12,106.22 arc(32.96,106.16) 32.9,106 32.9,104.4 34.3,103 34.3,98.6 v1(34.7,98.2)
Board_0-/CON.DB6-: length 27
  Top w0.151: J1#2.44 v1(34.7,102.6)
  In2.Cu w0.151: J4#2.46 32.3,122.2 32.1,122 32.1,121.49 32.9,120.69 32.9,113.04 arc(32.96,112.89) 33.12,112.82 arc(33.27,112.76) 33.34,112.6 33.34,112.44 arc(33.27,112.29) 33.12,112.22 arc(32.96,112.16) 32.9,112 32.9,111.84 arc(32.96,111.69) 33.12,111.62 arc(33.27,111.56) 33.34,111.4 33.34,111.24 arc(33.27,111.09) 33.12,111.02 arc(32.96,110.96) 32.9,110.8 32.9,110.64 arc(32.96,110.49) 33.12,110.42 arc(33.27,110.36) 33.34,110.2 33.34,110.04 arc(33.27,109.89) 33.12,109.82 arc(32.96,109.76) 32.9,109.6 32.9,109.44 arc(32.96,109.29) 33.12,109.22 arc(33.27,109.16) 33.34,109 33.34,108.84 arc(33.27,108.69) 33.12,108.62 arc(32.96,108.56) 32.9,108.4 32.9,108.24 arc(32.96,108.09) 33.12,108.02 arc(33.27,107.96) 33.34,107.8 33.34,107.64 arc(33.27,107.49) 33.12,107.42 arc(32.96,107.36) 32.9,107.2 32.9,107.04 arc(32.96,106.89) 33.12,106.82 arc(33.27,106.76) 33.34,106.6 33.34,106.44 arc(33.27,106.29) 33.12,106.22 arc(32.96,106.16) 32.9,106 32.9,104.4 v1(34.7,102.6)
